# KiCad board ttlcalc2.kicad_pcb (continued)
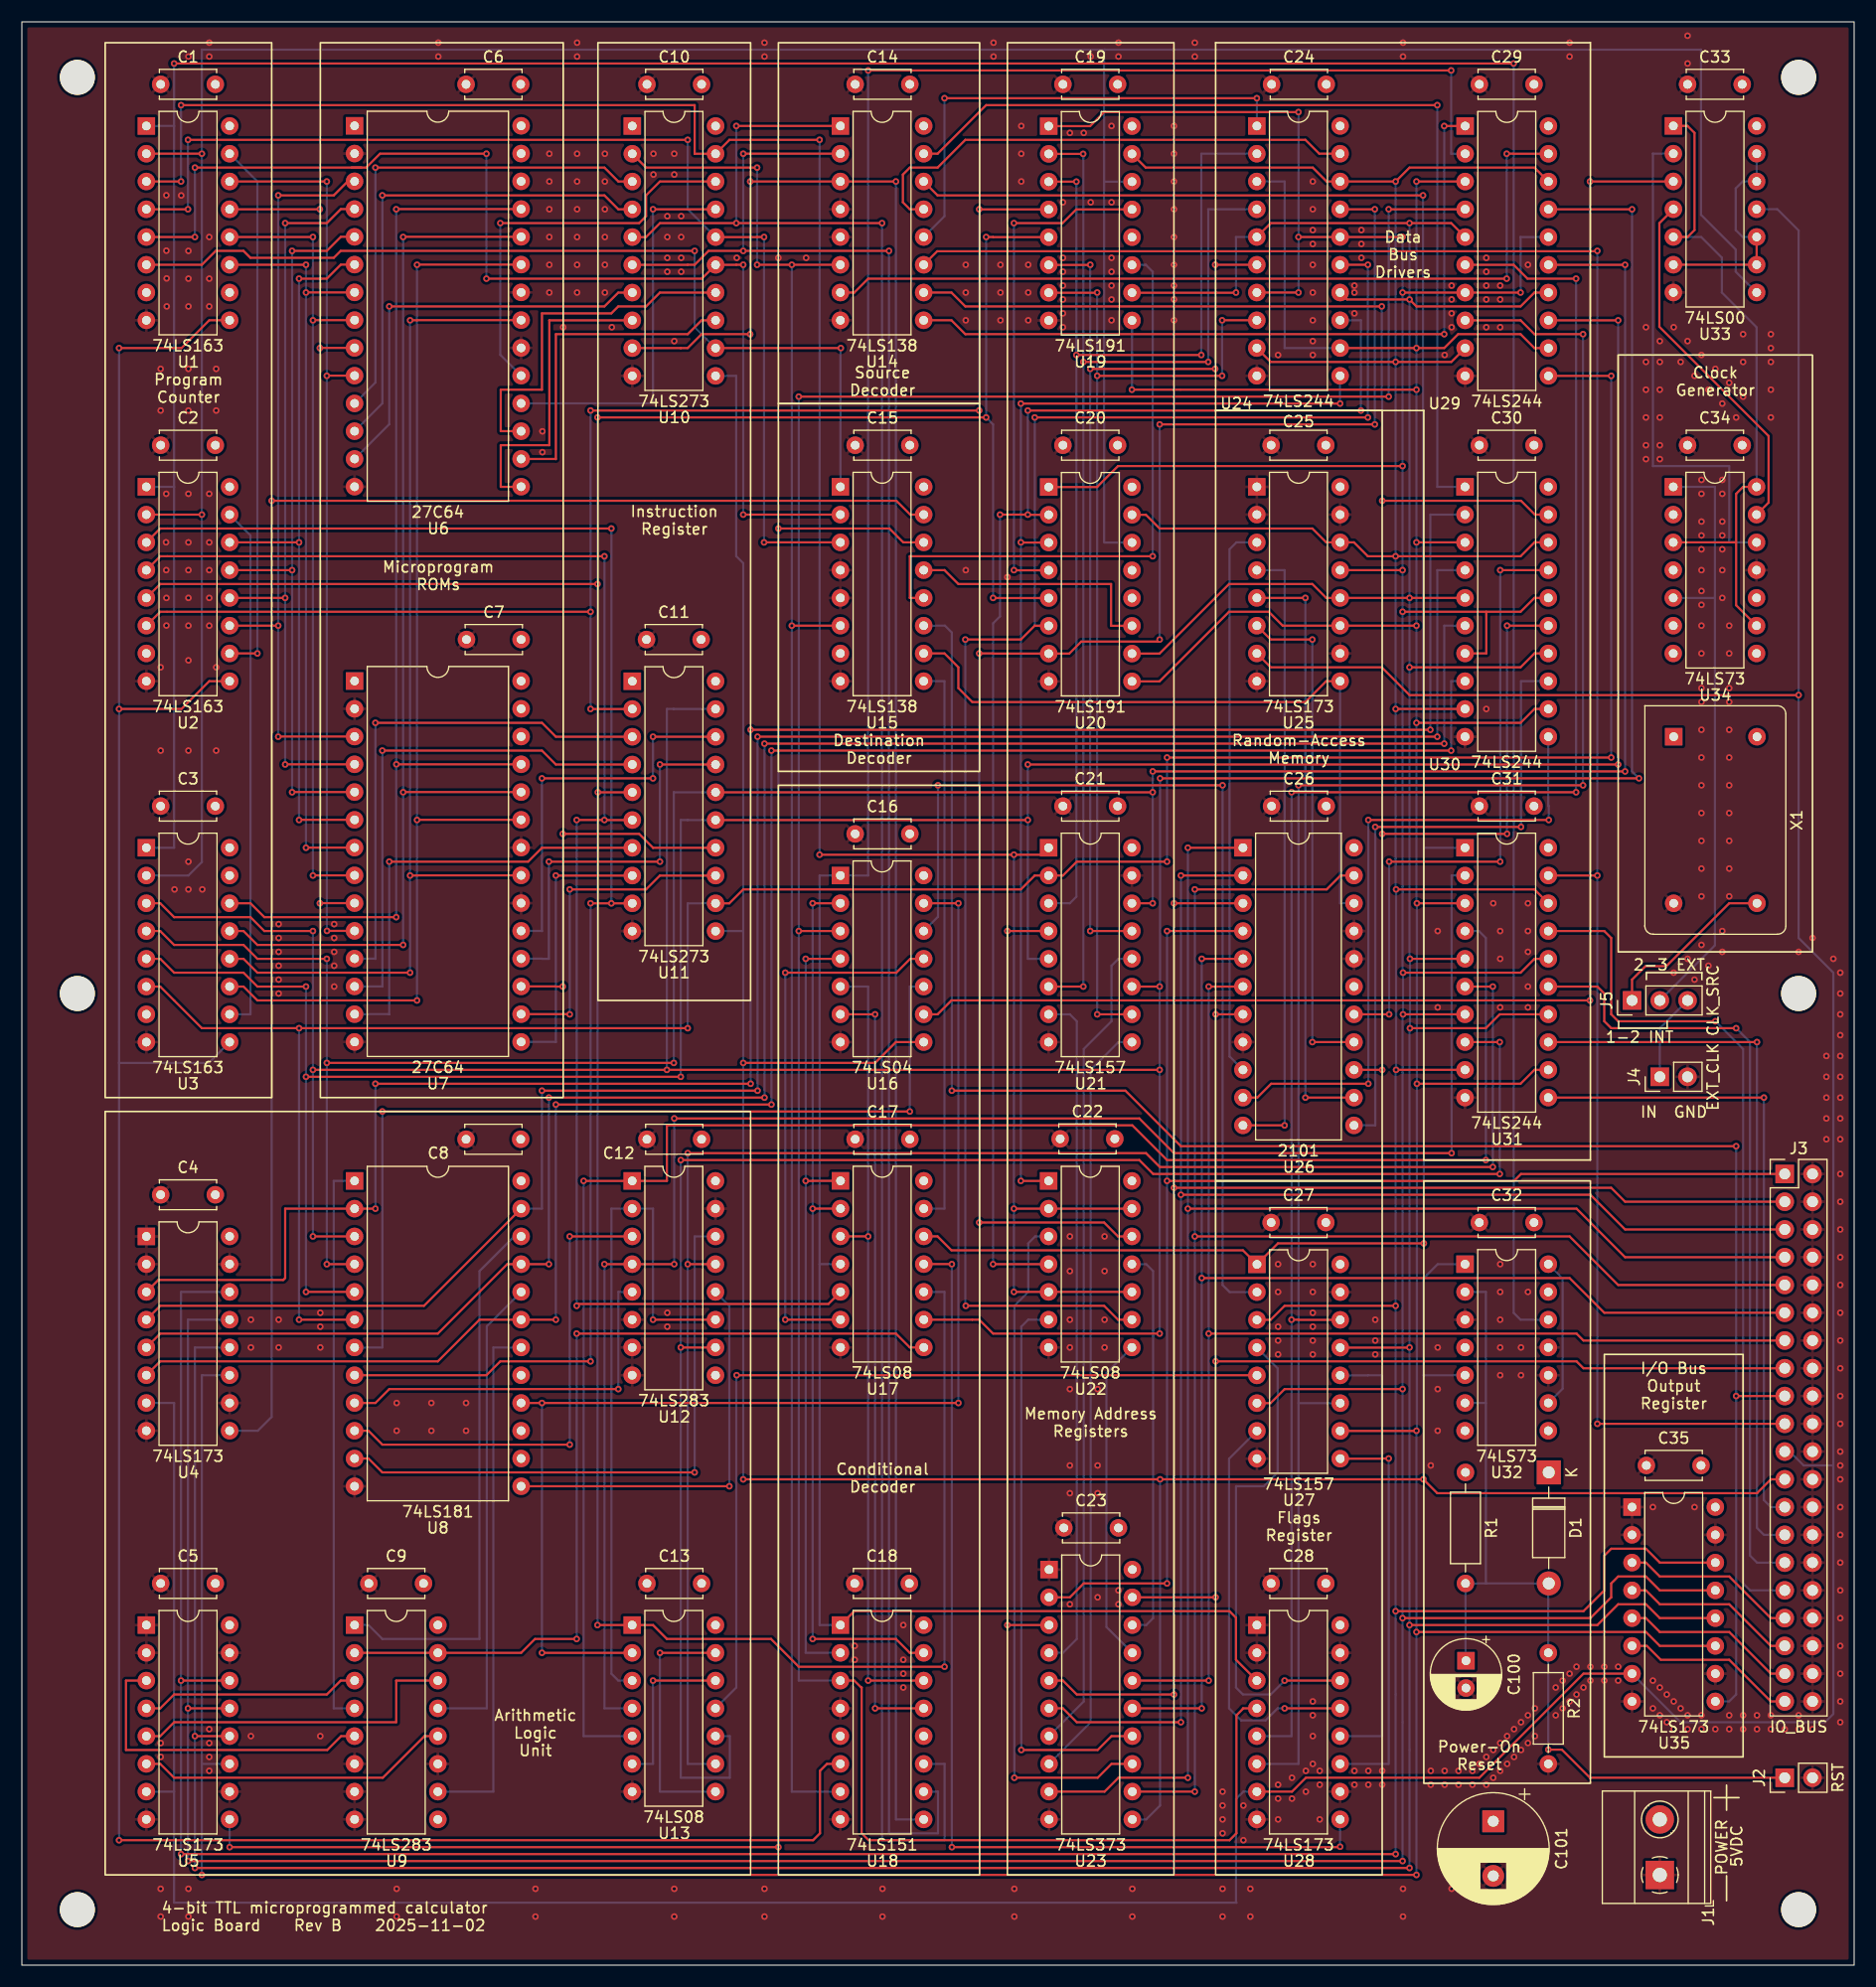
[diagram p0: board, top side]
## Routing (per net, layer and track width the routed paths; a pad name or vN(x,y) marks a point on that pad's centre or on a via; arc(x,y) is an arc through that point) (continued)
/~{RH}: length 46.6
  Top w0.2: U14.13 81.24,160.66 80.6,161.29 80.6,163.83 81.24,164.47 83.78,164.47 86.32,167.01 117.44,167.01 118.7,165.74 U24.19
/~{RImm}: length 76.7
  Top w0.2: v1(135.85,165.74) 136.48,165.74 136.49,165.73 U29.19 ; U14.7 76.16,153.04 77.43,154.31 v1(135.85,154.31)
  Bottom w0.2: v1(135.85,154.31) v1(135.85,165.74)
/~{RIO}: length 191.1
  Top w0.2: J3.19 v1(144.14,49.53) ; v1(144.14,156.85) 144.11,156.81 83.75,156.81 U14.11 ; v1(144.14,99.7) U31.19
  Bottom w0.2: v1(144.14,49.53) v1(144.14,99.7) v1(144.14,156.85)
/~{RL}: length 44.6
  Top w0.2: v1(112.99,170.81) v1(84.41,170.81)
  Bottom w0.2: U14.12 84.41,160.02 v1(84.41,170.81) ; v1(112.99,170.81) U24.1
/~{RMem}: length 76
  Top w0.2: v1(124.42,151.77) 86.32,151.77 85.05,153.04 U14.10 ; U30.19 138.43,132.72 137.16,133.99 v1(124.46,133.99)
  Bottom w0.2: v1(124.46,133.99) 124.46,143.26 124.42,143.3 v1(124.42,151.77)
/~{RST}: length 319.7
  Top w0.2: v1(13.93,173.99) v1(136.48,173.99)
  Bottom w0.2: U32.12 137.12,59.06 136.48,59.69 v1(136.48,173.99) ; 13.93,168.28 13.93,135.25 ; 13.93,168.28 v1(13.93,173.99) ; 13.93,168.28 U1.1 ; 13.93,135.25 13.93,102.24 U3.1 ; 13.93,135.25 U2.1
/~{RX}: length 86.3
  Top w0.2: v1(129.5,170.18) 88.22,170.18 83.78,165.74 U14.15
  Bottom w0.2: v1(129.5,170.18) 129.5,135.25 U30.1
/~{W_Flags}: length 52.1
  Bottom w0.2: U15.9 84.41,117.48 84.41,69.22 82.53,69.22 U17.13
/~{WH}: length 23.4
  Top w0.2: U20.11 99.67,122.54 99.66,122.56 99.66,126.37 85.69,126.37 84.41,127.64 82.51,127.64
/~{WIO}: length 175.4
  Top w0.2: v1(156.84,74.93) 106.04,74.93 100.97,80.01 v1(85.09,80.01) ; v1(156.84,52.07) J3.17
  Bottom w0.2: U15.11 84.46,122.56 85.09,121.93 v1(85.09,80.01) ; v1(156.84,74.93) v1(156.84,52.07) 156.84,24.77 156.21,24.13 U35.9
/~{WL}: length 55.5
  Top w0.2: U15.12 81.24,125.1 81.24,128.91 v1(103.47,128.91)
  Bottom w0.2: U19.11 102.81,155.56 102.83,155.58 103.47,154.94 v1(103.47,128.91)
/~{WMem}: length 63.4
  Top w0.2: U25.9 119.34,117.48 117.44,115.57 86.96,115.57 85.69,116.84 85.69,118.75 84.41,120.02 U15.10
  Bottom w0.2: U26.20 120.61,97.16 U25.9
/~{WX}: length 148.4
  Top w0.2: U15.15 81.28,132.72 80.01,133.99 v1(22.86,133.99)
  Bottom w0.2: v1(22.86,133.99) 22.86,50.16 21.59,48.9 U4.9
/~{WY}: length 187.2
  Top w0.2: U15.14 80.65,130.18 79.38,131.44 v1(69.22,131.44) ; v1(69.22,10.8) v1(19.01,10.8)
  Bottom w0.2: v1(69.22,10.8) v1(69.22,131.44) ; U5.9 v1(19.01,10.8)
Net-(D1-A): length 83.2
  Top w0.2: v1(139.66,19.72) 140.9,19.72 143.47,17.15 J2.1
  Bottom w0.2: v1(139.66,19.72) R2.1 139.66,34.89 D1.2 133.94,34.93 133.94,51.44 ; 133.94,51.44 133.94,61.59 U32.2 ; 133.94,51.44 U32.6 ; 133.98,34.93 R1.2 132.08,27.9 C100.1
Net-(J4-Pin_1): length 8
  Bottom w0.2: J5.3 149.85,85.72 J4.1
Net-(J5-Pin_1): length 16.2
  Top w0.2: J5.1 147.32,90.17 148.55,91.4 150.45,91.4 156.21,97.16 X1.8
Net-(J5-Pin_2): length 56.7
  Bottom w0.2: J5.2 154.9,93.31 154.9,125.1 ; U34.5 154.9,125.1 ; 154.9,125.1 154.9,135.25 U34.1
Net-(U1-Tc): length 49.3
  Top w0.2: U2.10 v1(21.55,120.02)
  Bottom w0.2: U1.15 21.55,163.2 v1(21.55,120.02)
Net-(U2-Tc): length 48.4
  Bottom w0.2: U3.10 20.91,87 20.91,130.81 U2.15
Net-(U8-B0): length 52.1
  Bottom w0.2: U9.4 28.54,23.5 28.54,71.76 U8.1
Net-(U8-B1): length 50.7
  Bottom w0.2: U9.1 31.71,31.12 32.98,29.84 41.87,29.84 41.87,63.5 45.04,66.68 U8.22
Net-(U8-B2): length 43.9
  Bottom w0.2: U9.13 42.54,23.5 42.54,58.46 U8.20
Net-(U8-B3): length 48.3
  Bottom w0.2: U8.18 43.14,56.52 43.14,15.88 U9.10
Net-(U8-Cn): length 85.1
  Top w0.2: v1(32.98,78.11) v1(81.24,78.11)
  Bottom w0.2: U8.7 32.98,56.52 v1(32.98,78.11) ; U16.10 81.24,89.54 v1(81.24,78.11)
Net-(U9-B2): length 81.1
  Top w0.2: v1(50.76,57.79) 79.97,57.79 81.24,56.52 U17.8 ; v1(50.76,29.84) 46.95,29.84 45.68,28.58 U9.15 U9.2
  Bottom w0.2: v1(50.76,29.84) v1(50.76,57.79)
Net-(U10-D0): length 46.4
  Top w0.2: v1(32.34,164.47) 53.3,164.47 54.57,163.19 U10.3
  Bottom w0.2: U6.11 32.34,144.8 v1(32.34,164.47)
Net-(U10-D1): length 46
  Top w0.2: v1(32.98,161.93) 53.3,161.93 54.57,160.65 U10.4
  Bottom w0.2: v1(32.98,161.93) 32.98,142.89 U6.12
Net-(U10-D2): length 38
  Top w0.2: U10.7 54.57,153.03 53.3,151.77 v1(33.62,151.77)
  Bottom w0.2: U6.13 33.62,140.99 v1(33.62,151.77)
Net-(U10-D3): length 29.1
  Top w0.2: U10.8 48.27,150.49 48.26,150.5 48.26,139.06 43.82,139.06 43.82,135.25 45.66,135.25 U6.15
Net-(U10-D4): length 29.8
  Top w0.2: U10.13 62.18,150.49 60.92,149.23 48.85,149.23 48.85,137.8 48.84,137.81 U6.16
Net-(U10-D5): length 33.1
  Top w0.2: U6.17 43.82,140.35 43.82,144.15 47.59,144.15 47.59,151.13 53.93,151.13 54.57,151.77 57.11,151.77 58.38,153.03 U10.14
Net-(U10-D6): length 35.6
  Top w0.2: v1(57.74,160.66) 57.75,160.65 U10.17
  Bottom w0.2: v1(57.74,160.66) 57.74,142.88 57.73,142.89 U6.18
Net-(U10-D7): length 37.1
  Top w0.2: U10.18 58.38,163.19 57.11,161.93 57.11,160.02 56.48,159.39 v1(43.77,159.39)
  Bottom w0.2: U6.19 43.77,147.34 v1(43.77,159.39)
Net-(U11-D0): length 47.5
  Top w0.2: v1(32.34,113.67) 47.59,113.67 48.86,112.39 U11.3
  Bottom w0.2: v1(32.34,113.67) 32.34,92.08 32.33,92.09 U7.11
Net-(U11-D1): length 47.5
  Top w0.2: U11.4 48.86,109.85 47.59,111.13 v1(32.98,111.13)
  Bottom w0.2: U7.12 32.97,89.55 32.98,89.54 v1(32.98,111.13)
Net-(U11-D2): length 39.9
  Top w0.2: U11.7 47.59,102.23 46.32,100.97 v1(33.62,100.97)
  Bottom w0.2: U7.13 33.6,87.01 33.62,87 v1(33.62,100.97)
Net-(U11-D3): length 25.4
  Top w0.2: v1(48.85,99.7) 48.86,99.69 U11.8
  Bottom w0.2: U7.15 48.84,84.47 48.85,84.46 v1(48.85,99.7)
Net-(U11-D4): length 29.8
  Top w0.2: U7.16 50.11,87.01 v1(50.13,87) ; U11.13 58.38,99.69 57.11,98.43 v1(50.13,98.43)
  Bottom w0.2: v1(50.13,98.43) v1(50.13,87)
Net-(U11-D5): length 32.3
  Top w0.2: U7.17 48.84,89.55 48.85,89.54 v1(49.49,89.54) ; v1(49.49,103.51) 56.48,103.51 57.75,102.23 U11.14
  Bottom w0.2: v1(49.49,103.51) v1(49.49,89.54)
Net-(U11-D6): length 35.6
  Top w0.2: v1(48.22,100.97) v1(58.38,100.97) ; U11.17 58.38,109.85 v1(58.38,109.86)
  Bottom w0.2: v1(48.22,100.97) 48.22,92.08 47.59,92.08 47.57,92.09 U7.18 ; v1(58.38,109.86) v1(58.38,100.97)
Net-(U11-D7): length 35.6
  Top w0.2: v1(57.74,112.4) 57.75,112.39 U11.18 ; v1(47.59,108.59) v1(57.74,108.59)
  Bottom w0.2: U7.19 47.57,94.63 47.59,94.62 v1(47.59,108.59) ; v1(57.74,108.59) v1(57.74,112.4)
Net-(U12-A1): length 34.8
  Top w0.2: U8.9 32.34,51.44 33.62,52.71 v1(54.57,52.71)
  Bottom w0.2: U12.5 54.57,61.59 v1(54.57,52.71)
Net-(U12-A2): length 45
  Top w0.2: U12.3 v1(50.13,66.68) ; v1(50.13,47.62) 32.98,47.62 31.71,48.9 U8.10
  Bottom w0.2: v1(50.13,66.68) v1(50.13,47.62)
Net-(U12-A3): length 55.1
  Top w0.2: U8.11 31.71,46.36 32.98,45.09 v1(61.55,45.09)
  Bottom w0.2: U12.14 61.55,66.68 v1(61.55,45.09)
Net-(U12-A4): length 37.4
  Top w0.2: 45.68,43.82 v1(64.73,43.82)
  Bottom w0.2: v1(64.73,43.82) 64.73,60.33 U12.12
Net-(U12-B2): length 64.4
  Top w0.2: U12.11 v1(57.74,59.06)
  Bottom w0.2: 55.84,26.04 54.57,26.04 53.93,26.67 53.93,69.22 57.74,69.22 v1(57.74,59.06)
Net-(U13-Pad12): length 15.2
  Top w0.2: v1(57.74,26.04) 63.46,26.04
  Bottom w0.2: U13.6 57.74,18.42 v1(57.74,26.04)
Net-(U13-Pad13): length 22.9
  Top w0.2: U13.13 v1(58.38,28.58)
  Bottom w0.2: U13.8 58.38,15.88 v1(58.38,28.58)
Net-(U16-Pad9): length 144
  Top w0.2: v1(143.47,163.2) 143.47,163.2 U33.3 ; 82.51,87 83.78,87 85.05,88.27 v1(143.47,88.27)
  Bottom w0.2: v1(143.47,88.27) v1(143.47,163.2)
Net-(U16-Pad11): length 50
  Top w0.2: 82.51,92.08 81.28,92.08 80.01,90.81 v1(69.84,90.81) ; v1(69.84,59.06) 69.85,59.06 U17.6
  Bottom w0.2: v1(69.84,59.06) v1(69.84,90.81)
Net-(U19-~{Rc}): length 46.3
  Top w0.2: v1(90.77,127.64) 90.78,127.62 U20.4 ; U19.13 96.47,160.64 95.21,159.39 v1(90.77,159.39)
  Bottom w0.2: v1(90.77,159.39) v1(90.77,127.64)
Net-(U21-Za): length 71.1
  Top w0.2: v1(90.17,31.12) U23.3 ; U21.4 v1(90.16,94.62)
  Bottom w0.2: v1(90.17,31.12) 90.16,31.12 v1(90.16,94.62)
Net-(U21-Zb): length 62.4
  Bottom w0.2: U21.7 95.88,87 96.52,86.36 96.52,29.84 95.25,28.58 U23.4
Net-(U21-Zc): length 75
  Bottom w0.2: U21.12 100.33,92.08 99.69,91.44 99.69,86.36 97.16,83.82 97.16,24.13 U23.7
Net-(U21-Zd): length 69.9
  Bottom w0.2: U21.9 100.33,84.46 97.79,81.92 97.79,22.23 U23.8
Net-(U23-D4): length 62.9
  Top w0.2: v1(90.81,17.15) 98.43,17.15 99.69,18.42 U23.13
  Bottom w0.2: v1(90.81,17.15) 90.81,60.33 92.07,61.59 92.07,66.04 92.71,66.68 U22.3
Net-(U23-D5): length 52.2
  Top w0.2: v1(91.44,19.69) 98.43,19.69 99.69,20.96 U23.14
  Bottom w0.2: U22.6 92.07,59.06 91.44,58.42 v1(91.44,19.69)
Net-(U23-D6): length 29.9
  Bottom w0.2: U23.17 99.23,30.95 99.23,54.19 U22.8
Net-(U23-D7): length 36.1
  Bottom w0.2: U23.18 102.87,31.12 103.5,31.75 103.5,57.53 103.5,57.54 103.5,58.03 103.5,58.04 103.5,63.5 102.87,64.14 U22.11
Net-(U25-Q0): length 50.9
  Bottom w0.2: U25.3 111.12,130.18 110.49,129.54 110.49,83.15 U26.9
Net-(U25-Q1): length 57.2
  Top w0.2: v1(115.53,76.84) U26.11
  Bottom w0.2: 112.99,127.64 115.53,127.64 v1(115.53,76.84)
Net-(U25-Q2): length 54.6
  Top w0.2: U25.5 v1(117.44,125.1) ; v1(117.44,79.38) U26.13
  Bottom w0.2: v1(117.44,125.1) v1(117.44,79.38)
Net-(U25-Q3): length 46.2
  Top w0.2: v1(118.07,84.46) U26.15 ; v1(118.07,121.29) 114.26,121.29 U25.6
  Bottom w0.2: v1(118.07,121.29) v1(118.07,84.46)
Net-(U27-Za): length 45.3
  Top w0.2: v1(115.53,26.04) 120.61,26.04
  Bottom w0.2: v1(115.53,26.04) 114.26,24.77 111.72,24.77 111.09,25.4 111.09,43.82 113.62,43.82 114.89,45.09 114.89,54.61 U27.4
Net-(U27-Zb): length 37.5
  Top w0.2: U28.13 v1(115.53,23.5)
  Bottom w0.2: v1(115.53,23.5) 114.89,23.5 113.79,22.4 111.55,22.4 110.45,23.5 110.45,46.33 U27.7
Net-(U27-Zc): length 40.6
  Bottom w0.2: U28.12 124.42,20.96 124.42,53.98 123.15,53.98 123.13,53.96 U27.12
Net-(U27-Zd): length 36.8
  Top w0.2: v1(125.06,46.36) 124.42,46.36 124.41,46.34 U27.9
  Bottom w0.2: v1(125.06,46.36) 125.06,18.42 U28.11
Net-(U28-E1): length 93.9
  Top w0.2: v1(85.09,10.8) 120.57,10.8 v1(120.61,10.84) ; v1(85.09,64.14) 85.08,64.14 U17.11
  Bottom w0.2: v1(85.09,10.8) 85.09,10.8 v1(85.09,64.14) ; v1(120.61,10.84) U28.9
Net-(U32A-Q): length 13.8
  Bottom w0.2: U32.14 140.97,62.83 140.97,52.75 U32.9
Net-(U33-Pad10): length 20.9
  Top w0.2: U33.10 U33.9 U33.6
  Bottom w0.2: U33.10 157.44,158.12 156.81,158.75 156.81,162.56 157.44,163.2 U33.12 U33.13
Net-(U34A-Q): length 61.5
  Top w0.2: U33.5 152.41,158.12 153.03,158.75 153.03,167.64 152.39,168.28 U33.1 ; U34.9 156.84,124.42 156.84,130.14 ; U34.3 156.84,130.18 156.84,134.62 157.48,135.25 U34.14
  Bottom w0.2: U34.14 158.71,149.86 155.53,153.04 155.53,156.23 153.65,158.12 151.1,158.12
Net-(U34B-Q): length 46.9
  Bottom w0.2: U34.12 156.21,130.18 156.21,137.16 149.22,137.16 149.22,165.74 149.23,165.74 U33.2
Net-(U34B-~{Q}): length 33.1
  Top w0.2: U33.4 149.82,159.38 149.82,149.9 159.81,139.91 159.81,133.81 U34.13

## Copper pours and planes (outline as drawn; the poured copper is in the pictures)
GND on Top: 0,0 0,177.8 167.64,177.8 167.64,0
GND on Bottom: 0,0 0,177.8 167.64,177.8 167.64,0
GND on In1.Cu: 0,177.8 167.64,177.8 167.64,0 0,0
VCC on In2.Cu: 0,177.8 167.64,177.8 167.64,0 0,0

## Text on the board
F.Silkscreen: 4-bit TTL microprogrammed calculator / Logic Board    Rev B    2025-11-02 | 1-2 INT | 2-3 EXT | IN  GND | Program / Counter | Microprogram / ROMs | Arithmetic / Logic / Unit | Instruction / Register | Destination / Decoder | Source / Decoder | Conditional / Decoder | Memory Address / Registers | Random-Access / Memory | Flags / Register | Data / Bus / Drivers | Power-On / Reset | I/O Bus / Output / Register | Clock / Generator | 5VDC | -  +
